# Altium PCB RFC_MB.PcbDoc (part 31 of 37)
Units mm, origin at the board's own origin, x right, y up, seen from the top; angles counter-clockwise.
Board outline 440 x 340 mm, 6 copper layers (TopLayer, PlaneGnd, PlanePwr, MidLayer3, MidLayer4, BottomLayer); 1264 components, 1336 nets, 5034 pads, 876 vias.
Unrouted connection lines stored in the file: 2433.
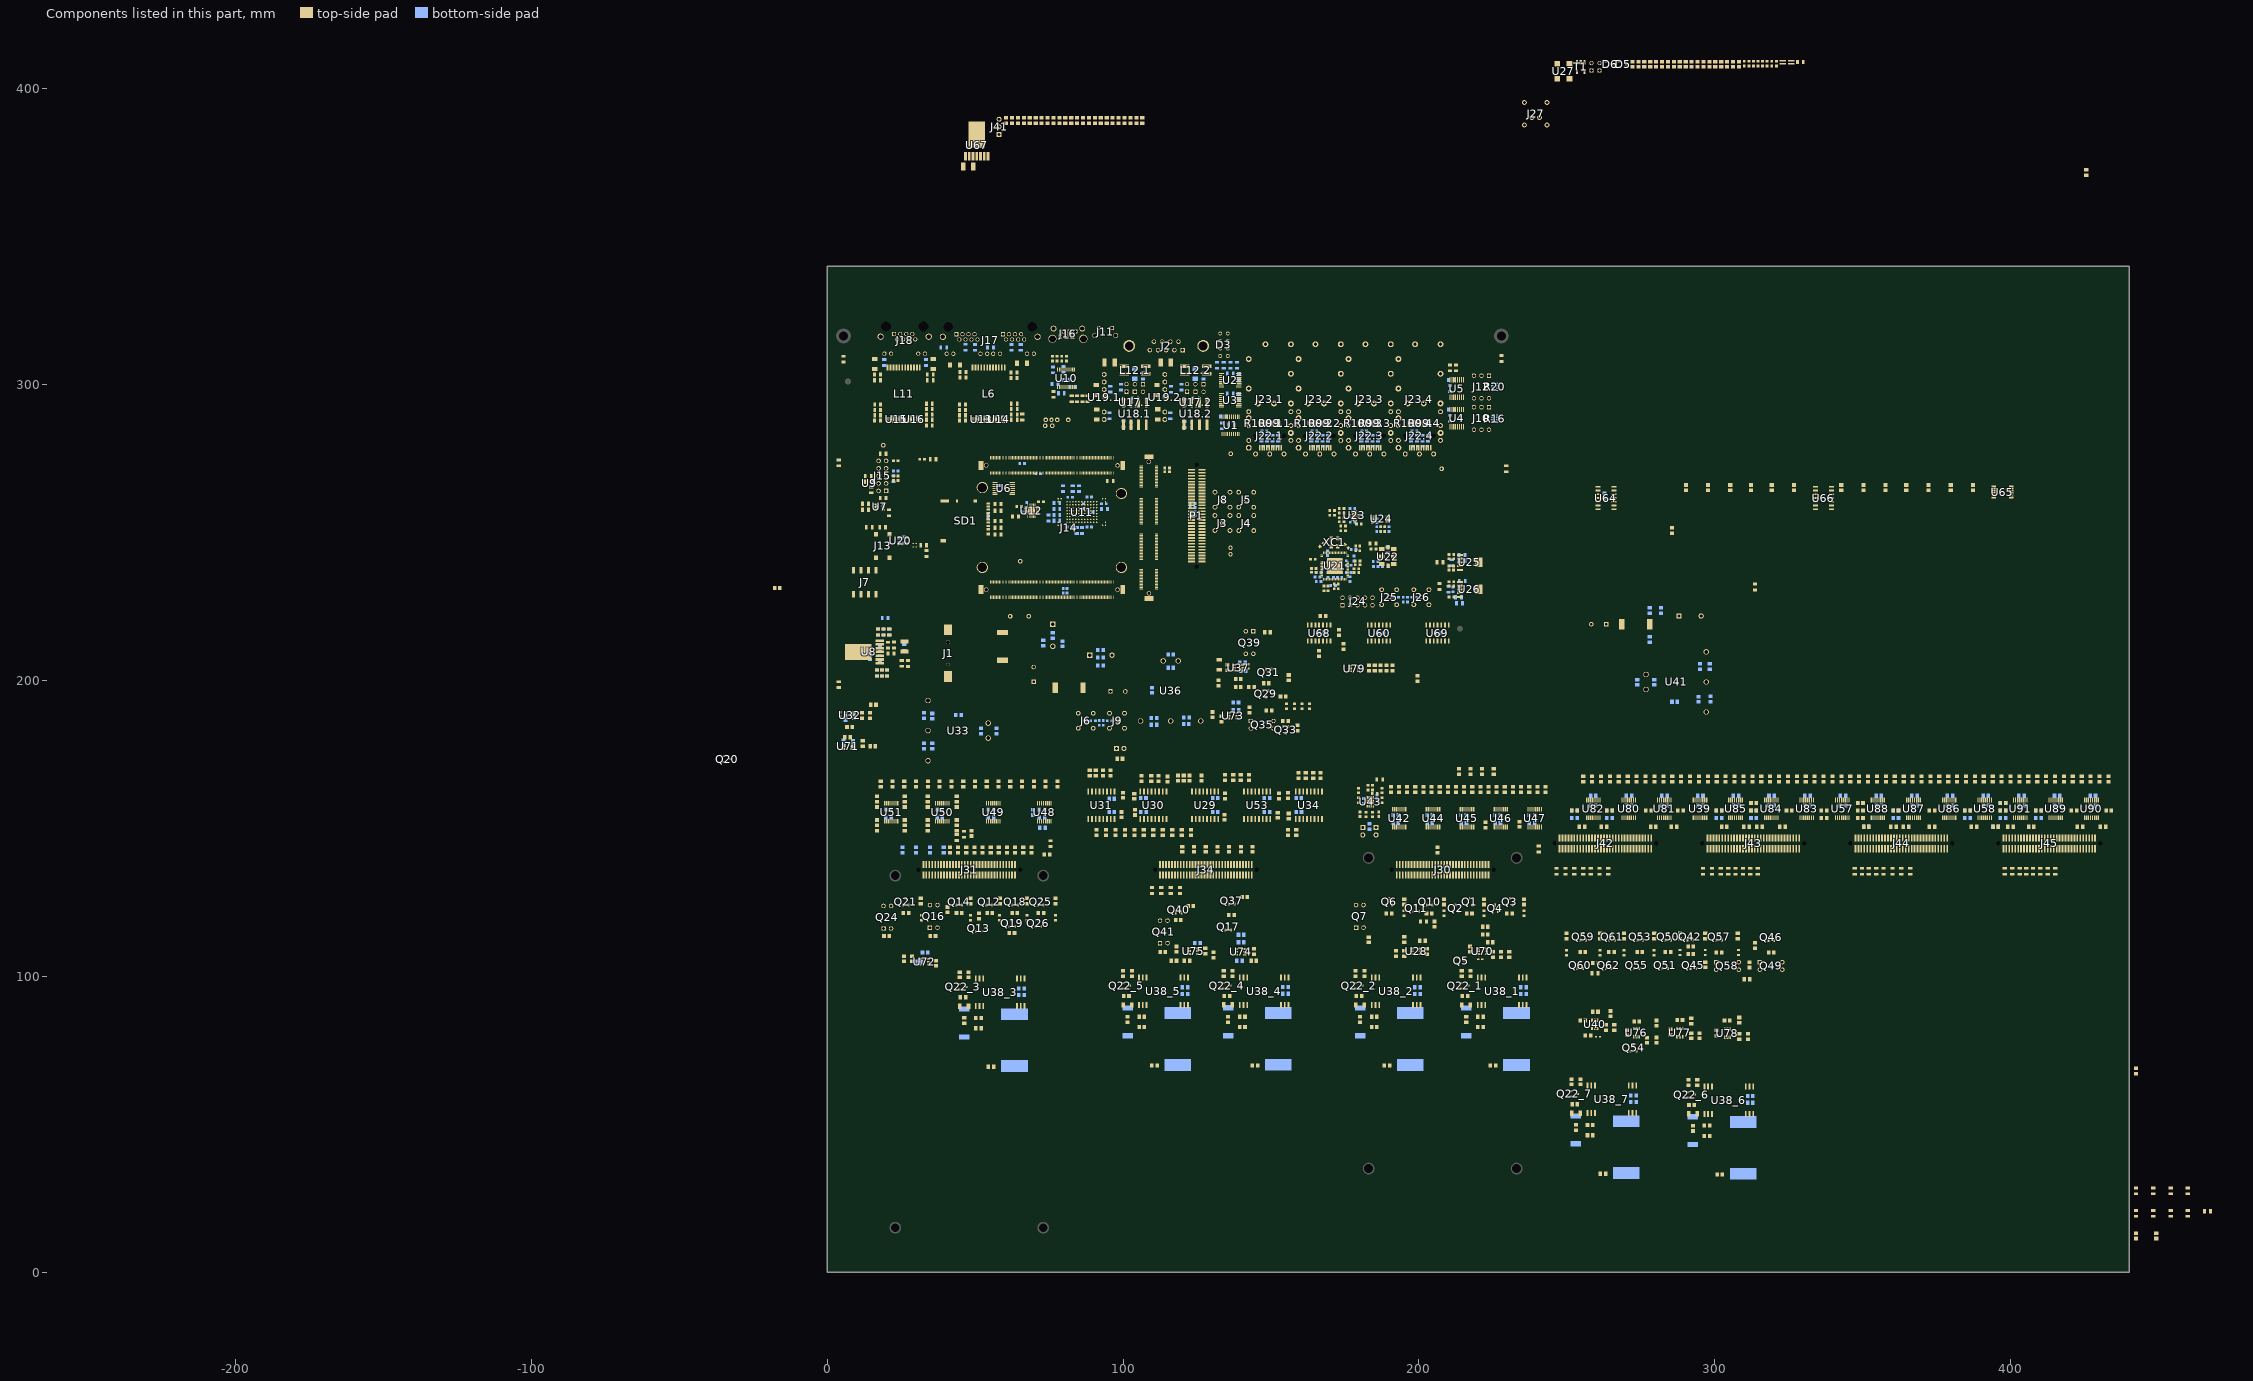
[diagram p35: the components of this part, seen from the top]

## Classes and differential pairs
component class DCP_i-: C206_5 C207_5 C209_5 C210_5 C211_5 C212_5 C215_5 L29_5 L31_5 Q22_5 R233_5 R241_5 R253_5 U38_5
component class DCP_i+: C206_4 C207_4 C209_4 C210_4 C211_4 C212_4 C215_4 L29_4 L31_4 Q22_4 R233_4 R241_4 R253_4 U38_4
component class DCP_H-: C206_3 C207_3 C209_3 C210_3 C211_3 C212_3 C215_3 L29_3 L31_3 Q22_3 R233_3 R241_3 R253_3 U38_3
component class DCP_D+: C206_1 C207_1 C209_1 C210_1 C211_1 C212_1 C215_1 L29_1 L31_1 Q22_1 R233_1 R241_1 R253_1 U38_1
component class DCP_D-: C206_2 C207_2 C209_2 C210_2 C211_2 C212_2 C215_2 L29_2 L31_2 Q22_2 R233_2 R241_2 R253_2 U38_2
channel class DCP_DC_DC: DCP_D+ DCP_D- DCP_H- DCP_i+ DCP_i- DCP_S+ DCP_S-
component class DCP_S+: C206_6 C207_6 C209_6 C210_6 C211_6 C212_6 C215_6 L29_6 L31_6 Q22_6 R233_6 R241_6 R253_6 U38_6
component class DCP_S-: C206_7 C207_7 C209_7 C210_7 C211_7 C212_7 C215_7 L29_7 L31_7 Q22_7 R233_7 R241_7 R253_7 U38_7
net class IO_CL[40..1]: IO_CL1 IO_CL2 IO_CL3 IO_CL4 IO_CL5 IO_CL6 IO_CL7 IO_CL8 IO_CL9 IO_CL10 IO_CL11 IO_CL12 IO_CL13 IO_CL14 IO_CL15 IO_CL16 IO_CL17 IO_CL18 IO_CL19 IO_CL20 IO_CL21 IO_CL22 IO_CL23 IO_CL24 IO_CL25 IO_CL26 IO_CL27 IO_CL28 IO_CL29 IO_CL30 IO_CL31 IO_CL32 IO_CL33 IO_CL34 IO_CL35 IO_CL36 IO_CL37 IO_CL38 IO_CL39 IO_CL40
net class IO_DDS[24..1]: IO_DDS1 IO_DDS2 IO_DDS3 IO_DDS4 IO_DDS5 IO_DDS6 IO_DDS7 IO_DDS8 IO_DDS9 IO_DDS10 IO_DDS11 IO_DDS12 IO_DDS13 IO_DDS14 IO_DDS15 IO_DDS16 IO_DDS17 IO_DDS18 IO_DDS19 IO_DDS20 IO_DDS21 IO_DDS22 IO_DDS23 IO_DDS24
component class S_DCDC: C142 C152 C153 C208 C213 C216 C217 C218 C219 C222 C224 C225 C226 C227 C228 C229 C230 C231 C439 C440 C446 C447 D43 D45 D47 D49 D52 D56 D57 D58 L32 L36 Q42 Q45 Q46 Q49 Q50 Q51 Q53 Q54 Q55 Q57 Q58 Q59 Q60 Q61 Q62 R158 R163 R228 R229 R230 R231 R232 R234 R235 R236 R237 R239 R242 R243 R244 R245 R247 R248 R249 R250 R251 R252 R254 R257 R258 R259 R260 R261 R262 R263 R264 U40 U41 U76 U77 U78
component class RF: C151 C162 C172 C189 C198 C374 C375 C376 C414 C415 C416 C417 C418 C419 C420 C421 C422 C423 C424 C425 C426 C427 C428 C429 C430 C431 C432 C442 J41 L80 R148 R177 R255 R290 R386 R387 R388 R389 R390 R391 R392 R393 R401 R402 R403 R404 R405 R406 R407 R408 R409 R441 R443 R452 R453 U60 U64 U65 U66 U67 U68 U69 U79
component class RF_S: C185 C194 C220 C221 C269 C270 C271 C272 C448 C449 C450 C451 C452 C453 C454 C455 C456 C457 C458 C459 C460 C461 C462 C463 C464 C465 C466 C467 C468 C469 J42 J43 J44 J45 L54 L55 L68 L69 L70 L71 L72 L73 L74 L75 L76 L77 L78 L79 L81 L82 L83 L84 L85 L86 L87 L88 L89 L90 L91 L92 L93 L94 L95 L96 L97 L98 R153 R182 R183 R192 R207 R209 R220 R238 R240 R246 R256 R351 R352 R353 R354 R355 R356 R357 R358 R359 R360 R361 R362 R363 R364 R365 R366 R367 R368 R369 R373 R374 R375 R376 R377 R437 R438 R442 R444 R445 R446 R447 R448 R449 R450 R451 R454 R455 R456 R457 R458 R459 R460 R461 R462 R463 R464 R465 R466 R467 R468 R469 R470 R471 R472 R473 R474 R475 R476 R477 R478 R479 R480 R481 R482 R483 R484 R485 R486 R487 R488 R489 R490 R491 R492 R493 R494 R495 R496 R497 R498 R499 R500 R501 R502 R503 R504 R505 R506 R507 R508 R509 R510 R511 R512 R513 R514 R515 R516 R517 R518 R519 R520 R521 R522 R523 R524 R525 R526 R527 U39 U57 U58 U80 U81 U82 U83 U84 U85 U86 U87 U88 U89 U90 U91
component class RF_i: C259 C260 C261 C262 C263 C264 C265 C266 C267 C268 J34 J38 L35 L37 L38 L39 R324 R340 R341 R342 R343 R344 R345 R346 R347 R348 R349 R350 R382 R383 R384 R385 R394 R395 R396 R397 R398 R399 R400 R411 R412 R413 R414 R415 R416 R417 R418 R419 R420 R421 R422 R423 R424 R425 R426 R427 R428 R429 R430 R431 R432 R433 R434 R435 R436 R439 R440 R528 U29 U30 U31 U34 U53
component class RF_H: C251 C252 C253 C254 C255 C256 C257 C258 J31 L26 L27 L28 L30 L33 L34 R272 R273 R276 R277 R279 R280 R281 R303 R304 R305 R306 R307 R308 R309 R310 R311 R312 R313 R314 R315 R316 R317 R318 R319 R320 R321 R322 R323 R325 R326 R327 R328 R329 R330 R331 R332 R333 R334 R335 R336 R337 R338 R339 R370 R371 R372 R378 R379 R380 R381 U48 U49 U50 U51
component class RF_D: C144 C145 C146 C147 C148 C149 C232 C233 C235 C239 C240 C244 C245 C246 C247 C248 C249 C250 J30 J32 J33 L17 L19 L20 L22 L23 L24 R174 R195 R196 R197 R205 R265 R266 R267 R268 R269 R270 R271 R274 R275 R278 R282 R283 R284 R285 R286 R287 R288 R289 R291 R292 R293 R294 R295 R296 R297 R298 R299 R300 R301 R302 U42 U43 U44 U45 U46 U47
component class i_DCDC: C168 C169 C170 C182 C188 C191 C197 C199 C200 C201 C202 C203 C204 C205 C327 C328 C329 C435 C436 C438 C445 D9 D29 D32 D35 D40 D41 L191 Q17 Q29 Q31 Q33 Q35 Q37 Q39 Q40 Q41 R151 R198 R199 R200 R201 R202 R203 R204 R206 R208 R210 R211 R212 R213 R214 R215 R216 R217 R218 R219 R221 R222 R223 R224 R225 R226 R227 U36 U37 U73 U74 U75
component class H_DCDC: C156 C157 C158 C159 C160 C164 C165 C166 C167 C171 C174 C178 C180 C214 C223 C323 C324 C325 C326 C444 D15 D16 D18 D20 D24 D27 L18 L25 Q12 Q13 Q14 Q16 Q18 Q19 Q20 Q21 Q24 Q25 Q26 R145 R166 R167 R169 R170 R171 R172 R173 R175 R176 R178 R179 R180 R181 R184 R185 R186 R187 R188 R189 R190 R191 R193 R194 R410 U32 U33 U71 U72
component class D_DCDC: C143 C150 C155 C161 C163 C443 D7 D8 D10 D11 D14 L21 Q1 Q2 Q3 Q4 Q5 Q6 Q7 Q10 Q11 R146 R147 R149 R150 R152 R154 R155 R156 R157 R159 R160 R161 R162 R164 R165 R168 U28 U70
net class EMMC_RFU: EMMC_RFU1 EMMC_RFU2 EMMC_RFU3 EMMC_RFU4 EMMC_RFU5 EMMC_RFU6 EMMC_RFU7 EMMC_RFU8 EMMC_RFU9 EMMC_RFU10 EMMC_RFU11 EMMC_RFU12 EMMC_RFU13 EMMC_RFU14 EMMC_RFU15 EMMC_RFU16 EMMC_RFU17 EMMC_RFU18 EMMC_RFU19 EMMC_RFU20 EMMC_RFU21 EMMC_RFU22 EMMC_RFU23 EMMC_RFU24 EMMC_RFU25 EMMC_RFU26 EMMC_RFU27 EMMC_RFU28 EMMC_RFU29 EMMC_RFU30 EMMC_RFU31 EMMC_RFU32 EMMC_RFU33 EMMC_RFU34 EMMC_RFU35 EMMC_RFU36 EMMC_RFU37 EMMC_RFU38 EMMC_RFU39 EMMC_RFU40 EMMC_RFU41 EMMC_RFU42 EMMC_RFU43 EMMC_RFU44 EMMC_RFU45 EMMC_RFU46 EMMC_RFU47 EMMC_RFU48 EMMC_RFU49 EMMC_RFU50 EMMC_RFU51 EMMC_RFU52 EMMC_RFU53 EMMC_RFU54 SDEPAD1 SDEPAD2 SDEPAD3 SDEPAD4 SDEPAD5 SDEPAD6
component class U_power_REG104GA_3V3: C114 C115 C116 C117 C118 C119 R104 U25
component class U_power_REG104GA_1V8: C120 C121 C122 C123 C124 C125 R102 R130 R131 U26
component class U_Si5395_CLK_GEN: C78 C79 C80 C81 C82 C83 C84 C85 C86 C87 C88 C89 C90 C91 C92 C93 C94 C95 C96 C97 C98 C99 C100 C101 C102 C103 C104 C105 C106 C107 C108 C109 C110 C111 C112 C113 C126 C127 C128 C129 C130 C131 C132 C133 C134 C135 C136 C137 C138 C139 C140 C141 D5 D6 J24 J25 J26 J27 J28 J29 L16 R101 R103 R105 R106 R107 R108 R109 R110 R111 R112 R113 R114 R115 R116 R117 R118 R119 R120 R121 R122 R123 R124 R125 R126 R127 R128 R129 R132 R133 R134 R135 R136 R137 R138 R139 R140 R141 R142 R143 R144 T1 U21 U22 U23 U24 U27 XC1
channel class SFPplusConn: U_SFPplusConn_0 U_SFPplusConn_1 U_SFPplusConn_2 U_SFPplusConn_3
component class U_SFPplusConn_3: C73.4 C74.4 C75.4 C76.4 C77.4 J22.4 J23.4 L14.4 L15.4 R99.4 R100.4
component class U_SFPplusConn_2: C73.3 C74.3 C75.3 C76.3 C77.3 J22.3 J23.3 L14.3 L15.3 R99.3 R100.3
component class U_SFPplusConn_1: C73.2 C74.2 C75.2 C76.2 C77.2 J22.2 J23.2 L14.2 L15.2 R99.2 R100.2
component class U_SFPplusConn_0: C73.1 C74.1 C75.1 C76.1 C77.1 J22.1 J23.1 L14.1 L15.1 R99.1 R100.1
component class U_Power_3V3_LDO: C71 C72 R98 U20
component class main: C1 C2 C3 C4 C5 C6 C7 C8 C9 C10 C11 C12 C13 C14 C15 D1 D2 D3 D4 J1 J2 J3 J4 J5 J6 J7 J8 J9 J10 J11 J12 J13 P1 R1 R2 R3 R4 R5 R6 R7 R8 R9 R10 R11 R12 R13 R14 R15 R16 R17 R18 R19 R20 R21 R22 R23 R24 R25 R26 R27 R28 R29 R30 R31 R32 R33 TP1 TP2 TP3 TP4 TP5 TP6 TP7 TP8 TP9 TP10 TP11 TP12 TP13 TP14 U1 U2 U3 U4 U5 U6 U7
channel class can_phy: U_can_phy1 U_can_phy2
component class U_can_phy2: C64.2 C65.2 C66.2 C67.2 C68.2 C69.2 C70.2 J19.2 J20.2 J21.2 L12.2 L13.2 R94.2 R95.2 R96.2 R97.2 U17.2 U18.2 U19.2
component class U_can_phy1: C64.1 C65.1 C66.1 C67.1 C68.1 C69.1 C70.1 J19.1 J20.1 J21.1 L12.1 L13.1 R94.1 R95.1 R96.1 R97.1 U17.1 U18.1 U19.1
net class PowerLines: VD_TMP
component class 3V3_POWER: C16 C17 C18 C19 C20 C21 C22 C23 C24 C25 C26 C27 C28 C29 C30 C31 C32 L1 R34 R35 R36 R37 R38 U8
component class U_sdcard_emmc: C39 C40 C41 C42 C43 C44 C45 C46 C47 C48 C49 R60 R61 R62 R63 R64 R65 R66 R67 R68 R69 R70 R71 R72 R73 R74 R75 R76 R77 SD1 U11 U12
component class U_jtag: C33 J15 R40 R41 R42 R43 R44 R45 R46 R47 R48 R49 U9
component class U_uart_adm3222: C34 C35 C36 C37 C38 J16 R50 R51 R52 R53 R54 R55 R56 R57 R58 R59 U10
component class U_ethernet_dual_100mbe_ext_magn: C50 C51 C52 C53 C54 C55 C56 J17 L2 L3 L4 L5 L6 R78 R79 R80 R81 R82 R83 R84 R85 R86 R87 U13 U14
net class IO_AR[22..1]: IO_AR1 IO_AR2 IO_AR3 IO_AR4 IO_AR5 IO_AR6 IO_AR7 IO_AR8 IO_AR9 IO_AR10 IO_AR11 IO_AR12 IO_AR13 IO_AR14 IO_AR15 IO_AR16 IO_AR17 IO_AR18 IO_AR19 IO_AR20 IO_AR21 IO_AR22
net class IO_AL[22..1]: IO_AL1 IO_AL2 IO_AL3 IO_AL4 IO_AL5 IO_AL6 IO_AL7 IO_AL8 IO_AL9 IO_AL10 IO_AL11 IO_AL12 IO_AL13 IO_AL14 IO_AL15 IO_AL16 IO_AL17 IO_AL18 IO_AL19 IO_AL20 IO_AL21 IO_AL22
component class U_ethernet_1gbe_ext_magn: C57 C58 C59 C60 C61 C62 C63 J18 L7 L8 L9 L10 L11 R88 R89 R90 R91 R92 R93 U15 U16
net class IO_CR[40..1]: IO_CR1 IO_CR2 IO_CR3 IO_CR4 IO_CR5 IO_CR6 IO_CR7 IO_CR8 IO_CR9 IO_CR10 IO_CR11 IO_CR12 IO_CR13 IO_CR14 IO_CR15 IO_CR16 IO_CR17 IO_CR18 IO_CR19 IO_CR20 IO_CR21 IO_CR22 IO_CR23 IO_CR24 IO_CR25 IO_CR26 IO_CR27 IO_CR28 IO_CR29 IO_CR30 IO_CR31 IO_CR32 IO_CR33 IO_CR34 IO_CR35 IO_CR36 IO_CR37 IO_CR38 IO_CR39 IO_CR40
net class IO_CR_FX[16..1]: IO_CR_FX1 IO_CR_FX2 IO_CR_FX3 IO_CR_FX4 IO_CR_FX5 IO_CR_FX6 IO_CR_FX7 IO_CR_FX8 IO_CR_FX9 IO_CR_FX10 IO_CR_FX11 IO_CR_FX12 IO_CR_FX13 IO_CR_FX14 IO_CR_FX15 IO_CR_FX16
net class IO_CL_FX[16..1]: IO_CL_FX1 IO_CL_FX2 IO_CL_FX3 IO_CL_FX4 IO_CL_FX5 IO_CL_FX6 IO_CL_FX7 IO_CL_FX8 IO_CL_FX9 IO_CL_FX10 IO_CL_FX11 IO_CL_FX12 IO_CL_FX13 IO_CL_FX14 IO_CL_FX15 IO_CL_FX16
net class IO_BR[36..1]: IO_BR1 IO_BR2 IO_BR3 IO_BR4 IO_BR5 IO_BR6 IO_BR7 IO_BR8 IO_BR9 IO_BR10 IO_BR11 IO_BR12 IO_BR13 IO_BR14 IO_BR15 IO_BR16 IO_BR17 IO_BR18 IO_BR19 IO_BR20 IO_BR21 IO_BR22 IO_BR23 IO_BR24 IO_BR25 IO_BR26 IO_BR27 IO_BR28 IO_BR29 IO_BR30 IO_BR31 IO_BR32 IO_BR33 IO_BR34 IO_BR35 IO_BR36
net class IO_BL[38..1]: IO_BL1 IO_BL2 IO_BL3 IO_BL4 IO_BL5 IO_BL6 IO_BL7 IO_BL8 IO_BL9 IO_BL10 IO_BL11 IO_BL12 IO_BL13 IO_BL14 IO_BL15 IO_BL16 IO_BL17 IO_BL18 IO_BL19 IO_BL20 IO_BL21 IO_BL22 IO_BL23 IO_BL24 IO_BL25 IO_BL26 IO_BL27 IO_BL28 IO_BL29 IO_BL30 IO_BL31 IO_BL32 IO_BL33 IO_BL34 IO_BL35 IO_BL36 IO_BL37 IO_BL38
net class BOOT_MODE[1..0]: BOOT_MODE0 BOOT_MODE1
component class U_cyc_v_som_A: J14 R39
differential pair DDS_CLK: +DDS_CLK_P -DDS_CLK_N
differential pair C_TEST: +C_TEST_P -C_TEST_N
differential pair C_REF: +C_REF_P -C_REF_N
differential pair IN2: +IN2_P -IN2_N
differential pair MGT_TX8.IO: +MGT_TX8.IO_P -MGT_TX8.IO_N
differential pair MGT_RX8.IO: +MGT_RX8.IO_P -MGT_RX8.IO_N
differential pair QBR: +QBR_P -QBR_N
differential pair Q9: +Q9_P -Q9_N
differential pair OUT9: +OUT9_P -OUT9_N
differential pair MGT_TX6: +MGT_TX6_P -MGT_TX6_N
differential pair TX_LEMO: +TX_LEMO_P -TX_LEMO_N
differential pair AQ1: +AQ1_P -AQ1_N
differential pair GTP_REF2.IO: +GTP_REF2.IO_P -GTP_REF2.IO_N
differential pair GTP_REF1.IO: +GTP_REF1.IO_P -GTP_REF1.IO_N
differential pair GTP_REF0.IO: +GTP_REF0.IO_P -GTP_REF0.IO_N
differential pair ZDIN: +ZDIN_P -ZDIN_N
differential pair OUT6: +OUT6_P -OUT6_N
differential pair OUT4: +OUT4_P -OUT4_N
differential pair OUT2: +OUT2_P -OUT2_N
differential pair IN1: +IN1_P -IN1_N
differential pair FPLLIN: +FPLLIN_P -FPLLIN_N
differential pair ZDO: +ZDO_P -ZDO_N
differential pair CMP_CLK: +CMP_CLK_P -CMP_CLK_N
differential pair SFP_TX_0.IO: +SFP_TX_0.IO_P -SFP_TX_0.IO_N
differential pair SFP_RX_0.IO: +SFP_RX_0.IO_P -SFP_RX_0.IO_N
differential pair SFP_TX_3.IO: +SFP_TX_3.IO_P -SFP_TX_3.IO_N
differential pair SFP_TX_2.IO: +SFP_TX_2.IO_P -SFP_TX_2.IO_N
differential pair SFP_TX_1.IO: +SFP_TX_1.IO_P -SFP_TX_1.IO_N
differential pair SFP_RX_3.IO: +SFP_RX_3.IO_P -SFP_RX_3.IO_N
differential pair SFP_RX_2.IO: +SFP_RX_2.IO_P -SFP_RX_2.IO_N
differential pair SFP_RX_1.IO: +SFP_RX_1.IO_P -SFP_RX_1.IO_N
differential pair ETH0_J3: +ETH0_J3_P -ETH0_J3_N
differential pair ETH0_J2: +ETH0_J2_P -ETH0_J2_N
differential pair ETH0_J4: +ETH0_J4_P -ETH0_J4_N
differential pair ETH0_J1: +ETH0_J1_P -ETH0_J1_N
differential pair ETH1B_TX: +ETH1B_TX_P -ETH1B_TX_N
differential pair ETH1B_RX: +ETH1B_RX_P -ETH1B_RX_N
differential pair ETH1A_TX: +ETH1A_TX_P -ETH1A_TX_N
differential pair ETH1A_RX: +ETH1A_RX_P -ETH1A_RX_N
differential pair ETH0_D: +ETH0_D_P -ETH0_D_N
differential pair ETH0_C: +ETH0_C_P -ETH0_C_N
differential pair ETH0_B: +ETH0_B_P -ETH0_B_N
differential pair ETH0_A: +ETH0_A_P -ETH0_A_N

## Components (designator, comment, footprint, x,y, rotation, side; value= is the part's Value field where it differs from the comment)
C1 "0.1uF" CAPC2012N 133.4,286 r270 bottom
C2 "0.1uF" CAPC2012N 136.2,303.675 r180 bottom
C3 "0.1uF" CAPC2012N 136.2,296.875 r180 bottom
C4 "0.1uF" CAPC2012N 210.45,288.575 r270 bottom
C5 "100nF" CAPC1608N 114.9,270.475 r0 top
C6 "100nF" CAPC1608N 114.9,271.8 r0 top
C7 "22uF" CAPC2012N 33.61,242.885 r90 top
C8 "100nF" CAPC1608N 79.775,230.275 r90 bottom
C9 "100nF" CAPC1608N 81.075,230.275 r90 bottom
C10 "0.1uF" CAPC2012N 210.45,298.625 r270 bottom
C11 "0.1uF" CAPC2012N 17.75,258.6 r0 bottom
C12 "DNP" CAPC2012N 95.66,267.41 r180 top
C13 "270pF" CAPC2012N 20.85,256.625 r270 top
C14 "0.1uF" CAPC2012N 18.735,251.735 r0 top
C15 "0.1uF" CAPC2012N 58.1,264.8 r270 bottom
C16 "DNP" CAPC2012N 14.5,208.05 r90 bottom
C17 "22uF" CAPC2012N 16.825,202.475 r270 top
C18 "22uF" CAPC2012N 18.55,202.475 r270 top
C19 "0.1uF" CAPC2012N 20.95,216.325 r90 top
C20 "22uF" CAPC2012N 17.2,216.325 r90 bottom
C21 "22uF" CAPC2012N 19.075,216.325 r90 bottom
C22 "22uF" CAPC2012N 18.535,202.485 r90 bottom
C23 "22uF" CAPC2012N 20.26,202.485 r90 bottom
C24 "22uF" CAPC2012N 16.81,202.485 r90 bottom
C25 "0.1uF" CAPC2012N 20.25,202.475 r90 top
C26 "22uF" CAPC2012N 20.95,216.325 r270 bottom
C27 "22uF" CAPC2012N 19.075,216.325 r270 top
C28 "22uF" CAPC2012N 17.2,216.325 r270 top
C29 "120pF" CAPC2012N 21.535,209.11 r180 top
C30 "DNP" CAPC2012N 17.785,207.285 r270 bottom
C31 "22uF" CAPC2012N 25.2,205.75 r90 top
C32 "22uF" CAPC2012N 27.25,205.725 r90 top
C33 "0.1uF" CAPC2012N 13.875,267.125 r0 top
C34 "0.1uF" CAPC2012N 76.985,300.185 r180 bottom
C35 "0.1uF" CAPC2012N 82.985,299.16 r0 bottom
C36 "0.1uF" CAPC2012N 79.135,297.01 r180 bottom
C37 "0.1uF" CAPC2012N 80.71,301.56 r180 bottom
C38 "0.1uF" CAPC2012N 79.86,305.085 r90 bottom
C39 "100nF" CAPC1608N 66.75,256.875 r0 bottom
C40 "100nF" CAPC1608N 67.425,259.275 r270 bottom
C41 "100nF" CAPC1608N 93.525,259.7 r0 bottom
C42 "1uF" CAPC2012N 93.7,257.95 r180 bottom
C43 "100nF" CAPC1608N 88.55,262 r180 bottom
C44 "100nF" CAPC1608N 89.05,256.9 r180 bottom
C45 "100nF" CAPC1608N 88.55,251.8 r180 bottom
C46 "100nF" CAPC1608N 82.075,261.9 r180 bottom
C47 "100nF" CAPC1608N 86.575,258.875 r270 bottom
C48 "100nF" CAPC1608N 81.9,251.775 r180 bottom
C49 "100nF" CAPC1608N 54.375,255.475 r90 bottom
C50 "1uF" CAPC2012N 65.9,288.975 r90 top
C51 "1nF; 2kV" CAPC3216N 43.2,306.575 r180 top value=1nF
C52 "1uF" CAPC2012N 63.2,288.075 r180 top
C53 "1uF" CAPC2012N 63.2,293.5 r180 top
C54 "1uF" CAPC2012N 45.75,293.2 r0 top
C55 "1uF" CAPC2012N 45.75,287.775 r0 top
C56 "1nF; 2kV" CAPC3216N 65.835,307.185 r180 top value=1nF
C57 "1uF" CAPC2012N 34.51,286.185 r0 top
C58 "1nF; 2kV" CAPC3216N 16.035,306.885 r270 top value=1nF
C59 "1nF; 2kV" CAPC3216N 35.81,306.935 r270 top value=1nF
C60 "1uF" CAPC2012N 34.51,288.085 r180 top
C61 "1uF" CAPC2012N 34.51,293.485 r180 top
C62 "1uF" CAPC2012N 17.06,293.185 r0 top
C63 "1uF" CAPC2012N 17.035,287.785 r0 top
C64.1 "1nF; 2kV" CAPC3216N 103.95,303.625 r270 bottom value=1nF (schematic designator C64)
C64.2 "1nF; 2kV" CAPC3216N 124.425,303.625 r270 bottom value=1nF (schematic designator C64)
C65.1 "0.1uF" CAPC2012N 95.65,298.4 r90 bottom (schematic designator C65)
C65.2 "0.1uF" CAPC2012N 116.2,298.375 r90 bottom (schematic designator C65)
C66.1 "0.1uF" CAPC2012N 100.175,286.625 r90 bottom (schematic designator C66)
C66.2 "0.1uF" CAPC2012N 120.65,286.45 r90 bottom (schematic designator C66)
C67.1 "0.1uF" CAPC2012N 100.2,294 r90 bottom (schematic designator C67)
C67.2 "0.1uF" CAPC2012N 120.675,294 r90 bottom (schematic designator C67)
C68.1 "47uF" CAPC3216N 90.95,298.125 r90 top (schematic designator C68)
C68.2 "47uF" CAPC3216N 111.45,298.15 r90 top (schematic designator C68)
C69.1 "0.1uF" CAPC2012N 95.45,289.425 r270 bottom (schematic designator C69)
C69.2 "0.1uF" CAPC2012N 115.925,289.425 r270 bottom (schematic designator C69)
C70.1 "47uF" CAPC3216N 91.15,289.875 r270 top (schematic designator C70)
C70.2 "47uF" CAPC3216N 111.675,289.9 r270 top (schematic designator C70)
C71 "100nF" CAPC1608N 24.3,247.35 r270 bottom
C72 "1uF" CAPC2012N 25.95,247.45 r270 bottom
C73.1 "100nF" CAPC1608N 147.75,284.3 r0 bottom (schematic designator C73)
C73.2 "100nF" CAPC1608N 164.625,284.3 r0 bottom (schematic designator C73)
C73.3 "100nF" CAPC1608N 181.5,284.3 r0 bottom (schematic designator C73)
C73.4 "100nF" CAPC1608N 198.45,284.275 r0 bottom (schematic designator C73)
C74.1 "22uF" CAPC2012N 146.775,281.825 r270 bottom (schematic designator C74)
C74.2 "22uF" CAPC2012N 163.605,281.8 r270 bottom (schematic designator C74)
C74.3 "22uF" CAPC2012N 180.48,281.8 r270 bottom (schematic designator C74)
C74.4 "22uF" CAPC2012N 197.355,281.8 r270 bottom (schematic designator C74)
C75.1 "100nF" CAPC1608N 148.05,279.125 r0 bottom (schematic designator C75)
C75.2 "100nF" CAPC1608N 164.925,279.125 r0 bottom (schematic designator C75)
C75.3 "100nF" CAPC1608N 181.8,279.125 r0 bottom (schematic designator C75)
C75.4 "100nF" CAPC1608N 198.675,279.125 r0 bottom (schematic designator C75)
C76.1 "22uF" CAPC2012N 152.425,281.825 r270 bottom (schematic designator C76)
C76.2 "22uF" CAPC2012N 169.305,281.825 r270 bottom (schematic designator C76)
C76.3 "22uF" CAPC2012N 186.18,281.825 r270 bottom (schematic designator C76)
C76.4 "22uF" CAPC2012N 203.055,281.825 r270 bottom (schematic designator C76)
C77.1 "100nF" CAPC1608N 151.5,279.1 r180 bottom (schematic designator C77)
C77.2 "100nF" CAPC1608N 168.375,279.1 r180 bottom (schematic designator C77)
C77.3 "100nF" CAPC1608N 185.25,279.1 r180 bottom (schematic designator C77)
C77.4 "100nF" CAPC1608N 202.125,279.1 r180 bottom (schematic designator C77)
C78 "100nF" CAPC1608N 185.325,240.15 r180 bottom
C79 "100nF" CAPC1608N 185.375,238.45 r180 bottom
C80 "100nF" CAPC1608N 178.625,244.625 r270 top
C81 "100nF" CAPC1608N 177.9,244.175 r180 bottom
C82 "100nF" CAPC1608N 175.2,251.35 r270 top
C83 "100nF" CAPC1608N 173.575,251.35 r270 top
C84 "100nF" CAPC1608N 179.275,240.3 r0 top
C85 "100nF" CAPC1608N 179.275,239.05 r0 top
C86 "100nF" CAPC1608N 177.5,258.025 r180 bottom
C87 "100nF" CAPC1608N 177.55,253.45 r180 bottom
C88 "100nF" CAPC1608N 170.625,255.825 r180 top
C89 "100nF" CAPC1608N 170.625,257.375 r180 top
C90 "100nF" CAPC1608N 185.025,254.6 r0 bottom
C91 "100nF" CAPC1608N 185.025,253.275 r0 bottom
C92 "100nF" CAPC1608N 169.2,231.075 r270 top
C93 "100nF" CAPC1608N 167.875,231.075 r270 top
C94 "100nF" CAPC1608N 172.7,231.725 r270 top
C95 "100nF" CAPC1608N 171.35,231.725 r270 top
C96 "100nF" CAPC1608N 169.275,235.625 r270 bottom
C97 "100nF" CAPC1608N 164.425,236.525 r180 top
C98 "100nF" CAPC1608N 171.075,235.625 r270 bottom
C99 "100nF" CAPC1608N 164.425,237.8 r180 top
C100 "100nF" CAPC1608N 172.425,235.6 r270 bottom
C101 "100nF" CAPC1608N 173.925,235.625 r270 bottom
C102 "100nF" CAPC1608N 165.675,234.975 r0 bottom
C103 "100nF" CAPC1608N 174.6,240.425 r0 bottom
C104 "100nF" CAPC1608N 178.85,236.4 r0 top
C105 "100nF" CAPC1608N 166.05,233.4 r0 bottom
C106 "100nF" CAPC1608N 166.05,236.425 r0 bottom
C107 "100nF" CAPC1608N 168.425,237.925 r180 bottom
C108 "100nF" CAPC1608N 168.425,239.925 r180 bottom
C109 "100nF" CAPC1608N 178.85,237.725 r0 top
C110 "100nF" CAPC1608N 176.725,234.2 r90 bottom
C111 "100nF" CAPC1608N 176.2,236.425 r180 bottom
C112 "100nF" CAPC1608N 176.225,238.925 r180 bottom
C113 "100nF" CAPC1608N 169.05,243.025 r270 bottom
C114 "100nF" CAPC1608N 210.925,241.075 r180 top
C115 "100nF" CAPC1608N 210.9,237.3 r180 top
C116 "1uF" CAPC2012N 214.525,240.408 r180 bottom
C117 "22uF" CAPC2012N 214.525,242.408 r180 bottom
C118 "100nF" CAPC1608N 210.925,242.525 r0 top
C119 "10nF" CAPC1608N 210.9,238.6 r0 top
C120 "100nF" CAPC1608N 210.923,231.875 r180 top
C121 "100nF" CAPC1608N 210.923,228.15 r180 top
C122 "10nF" CAPC1608N 211.523,230.75 r90 bottom
C123 "1uF" CAPC2012N 213.673,230.75 r90 bottom
C124 "22uF" CAPC2012N 214.625,233.55 r180 bottom
C125 "100nF" CAPC1608N 210.923,233.325 r0 top
C126 "100nF" SMD0805CAP 284.145,407.194 r90 top
C127 "1uF" SMD0805CAP 282.145,407.194 r90 top
C128 "1uF" 0508 325.743,408.396 r90 top
C129 "100nF" CAPC1608X87N 313.018,408.421 r90 top
C130 "10nF" CAPC1608X87N 311.468,408.421 r90 top
C131 "100nF" CAPC1608X87N 309.918,408.421 r90 top
C132 "1uF" 0508 322.943,408.396 r90 top
C133 "100nF" CAPC1608X87N 314.568,408.421 r90 top
C134 "100nF" CAPC1608X87N 320.768,408.421 r90 top
C135 "5p1" CAPC1608X87N 319.218,408.421 r90 top
C136 "100nF" CAPC1608X87N 316.118,408.421 r90 top
C137 "100nF" CAPC1608X87N 317.668,408.421 r90 top
C138 "100nF" SMD0805CAP 286.145,407.194 r90 top
C139 "100nF" SMD0805CAP 290.145,407.194 r90 top
C140 "100nF" SMD0805CAP 288.145,407.194 r90 top
C141 "100nF" SMD0805CAP 274.145,407.194 r90 top